# Altium PCB rf_modulator_source.PcbDoc (part 1 of 2)
Units mm, origin at the board's own origin, x right, y up, seen from the top; angles counter-clockwise.
Board outline 79.5 x 119 mm, 4 copper layers (Top Layer, GND, Inner Layer 2, Bottom Layer), stack 1.546 mm thick; 214 components, 135 nets, 579 pads, 364 vias.
Unrouted connection lines stored in the file: 6.
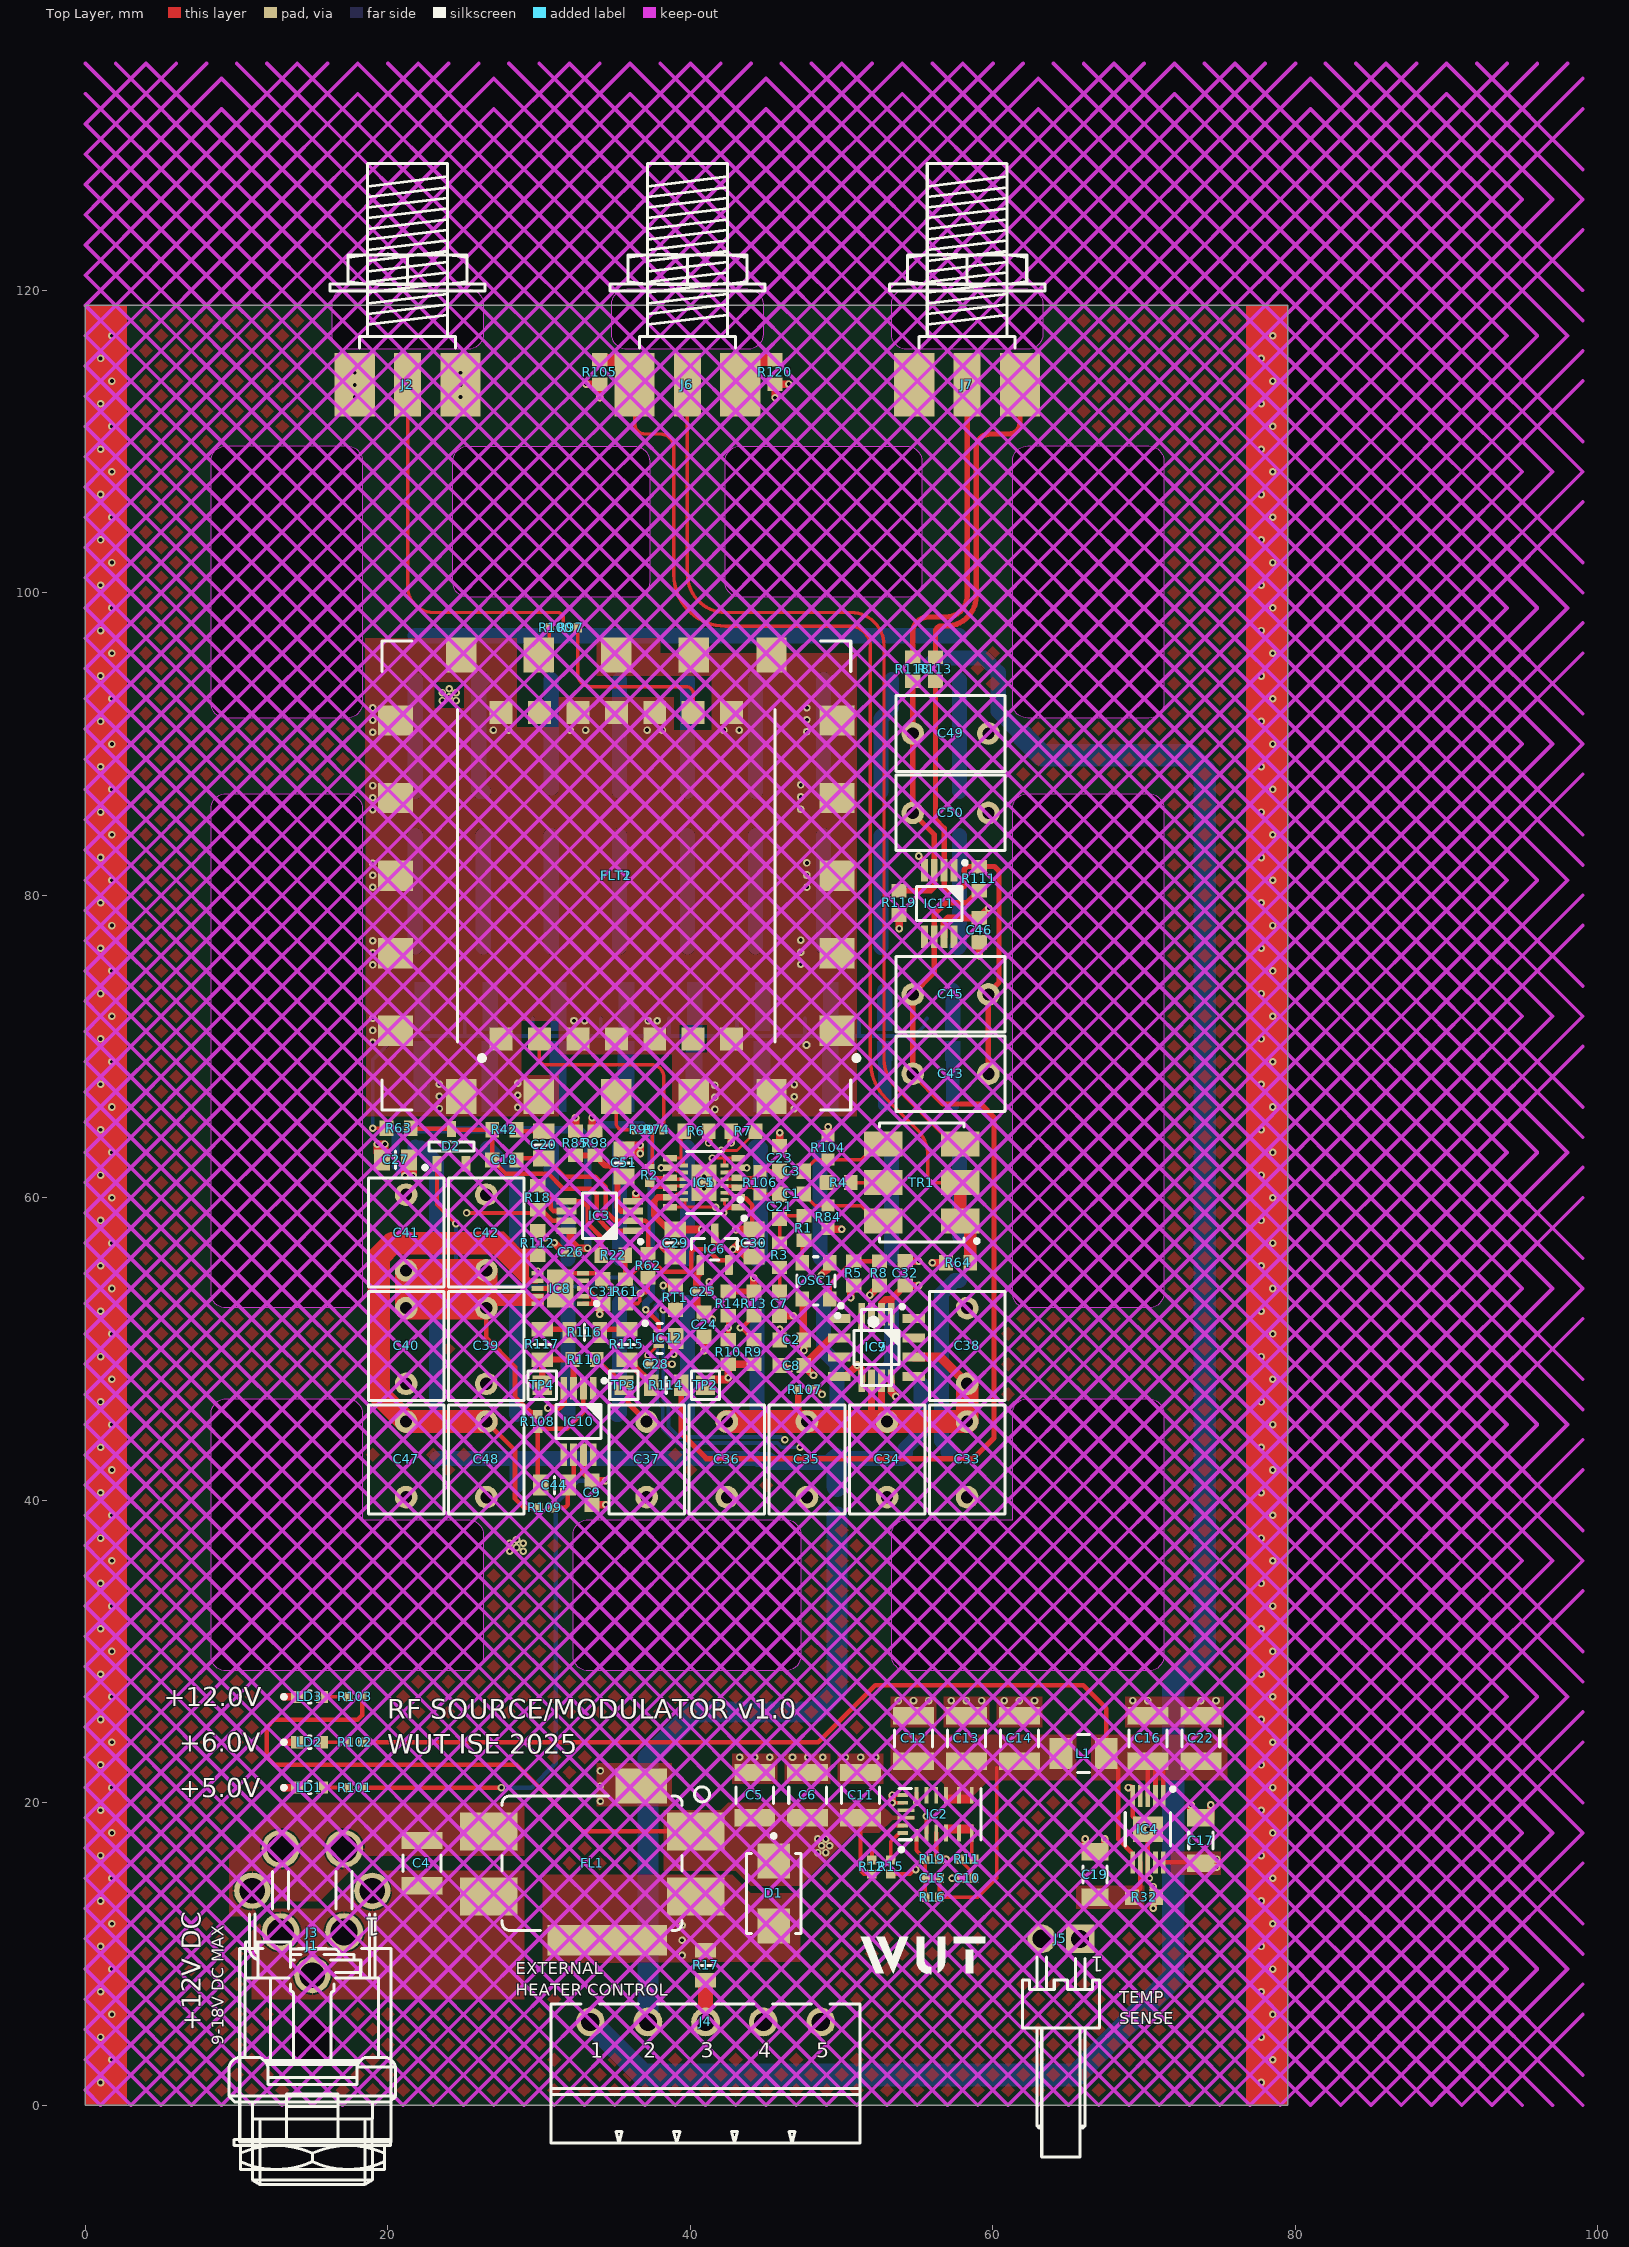
[diagram p0: Top Layer view]
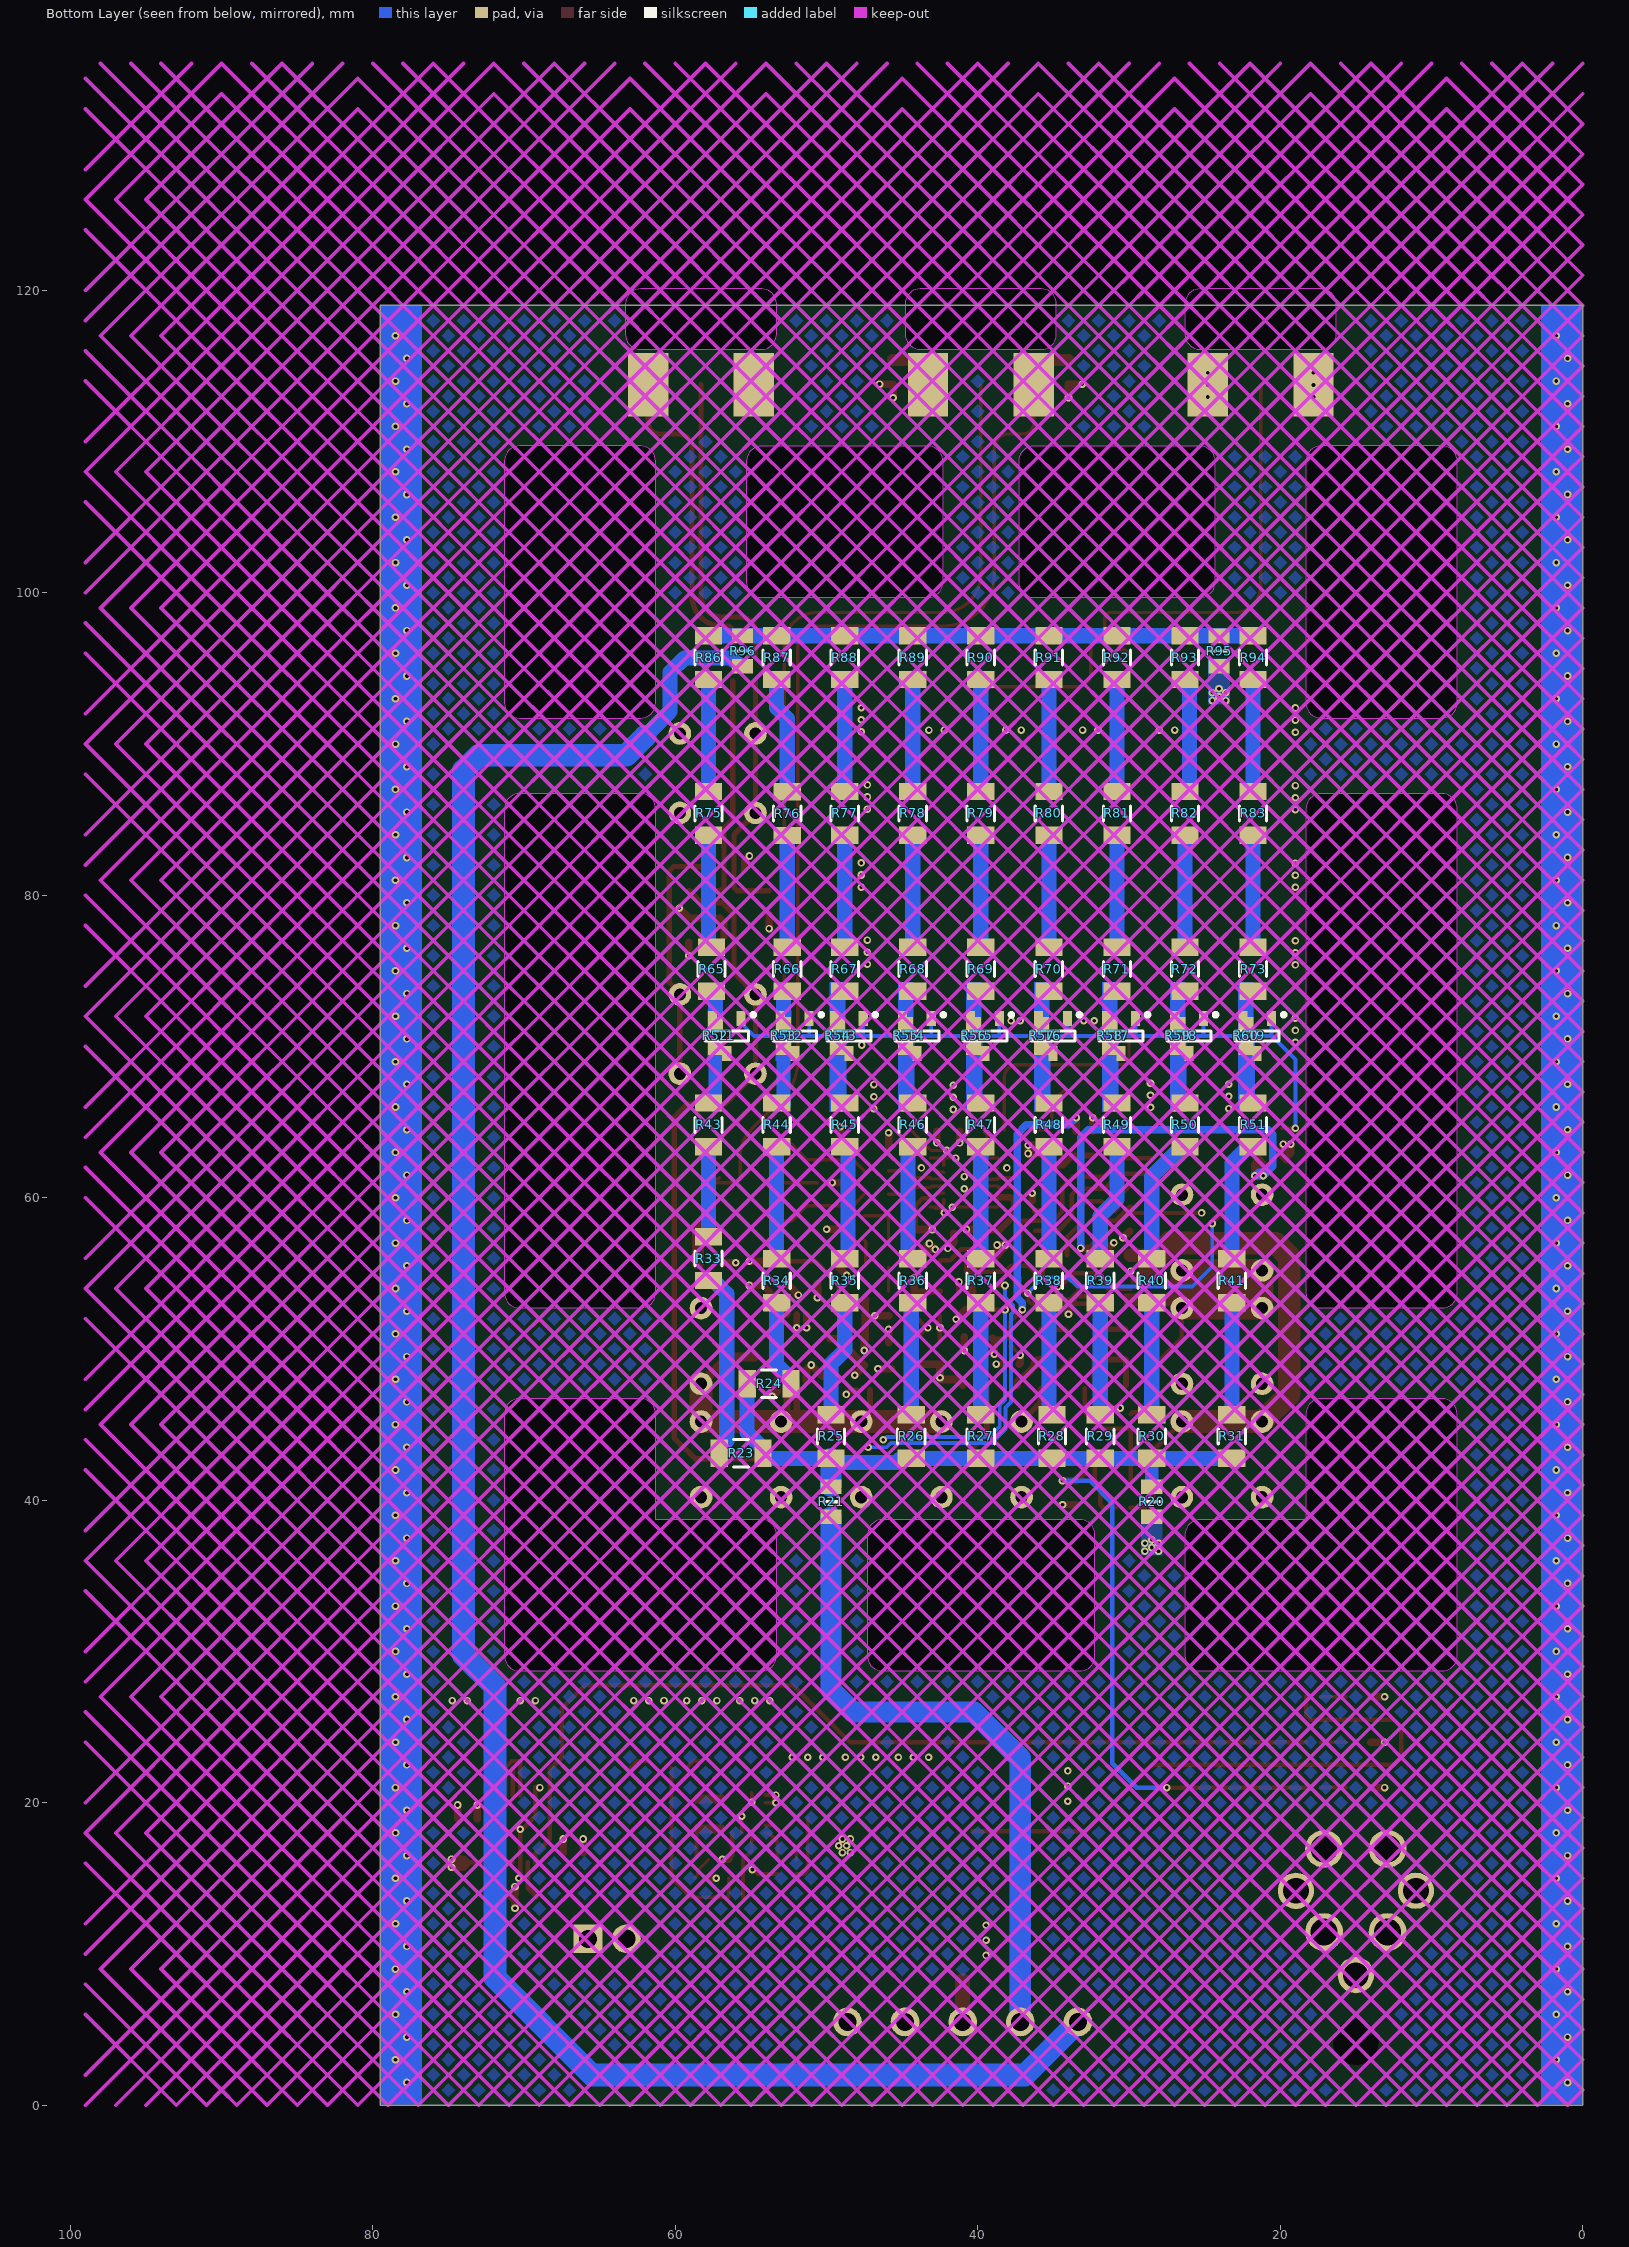
[diagram p1: Bottom Layer view, seen from below]
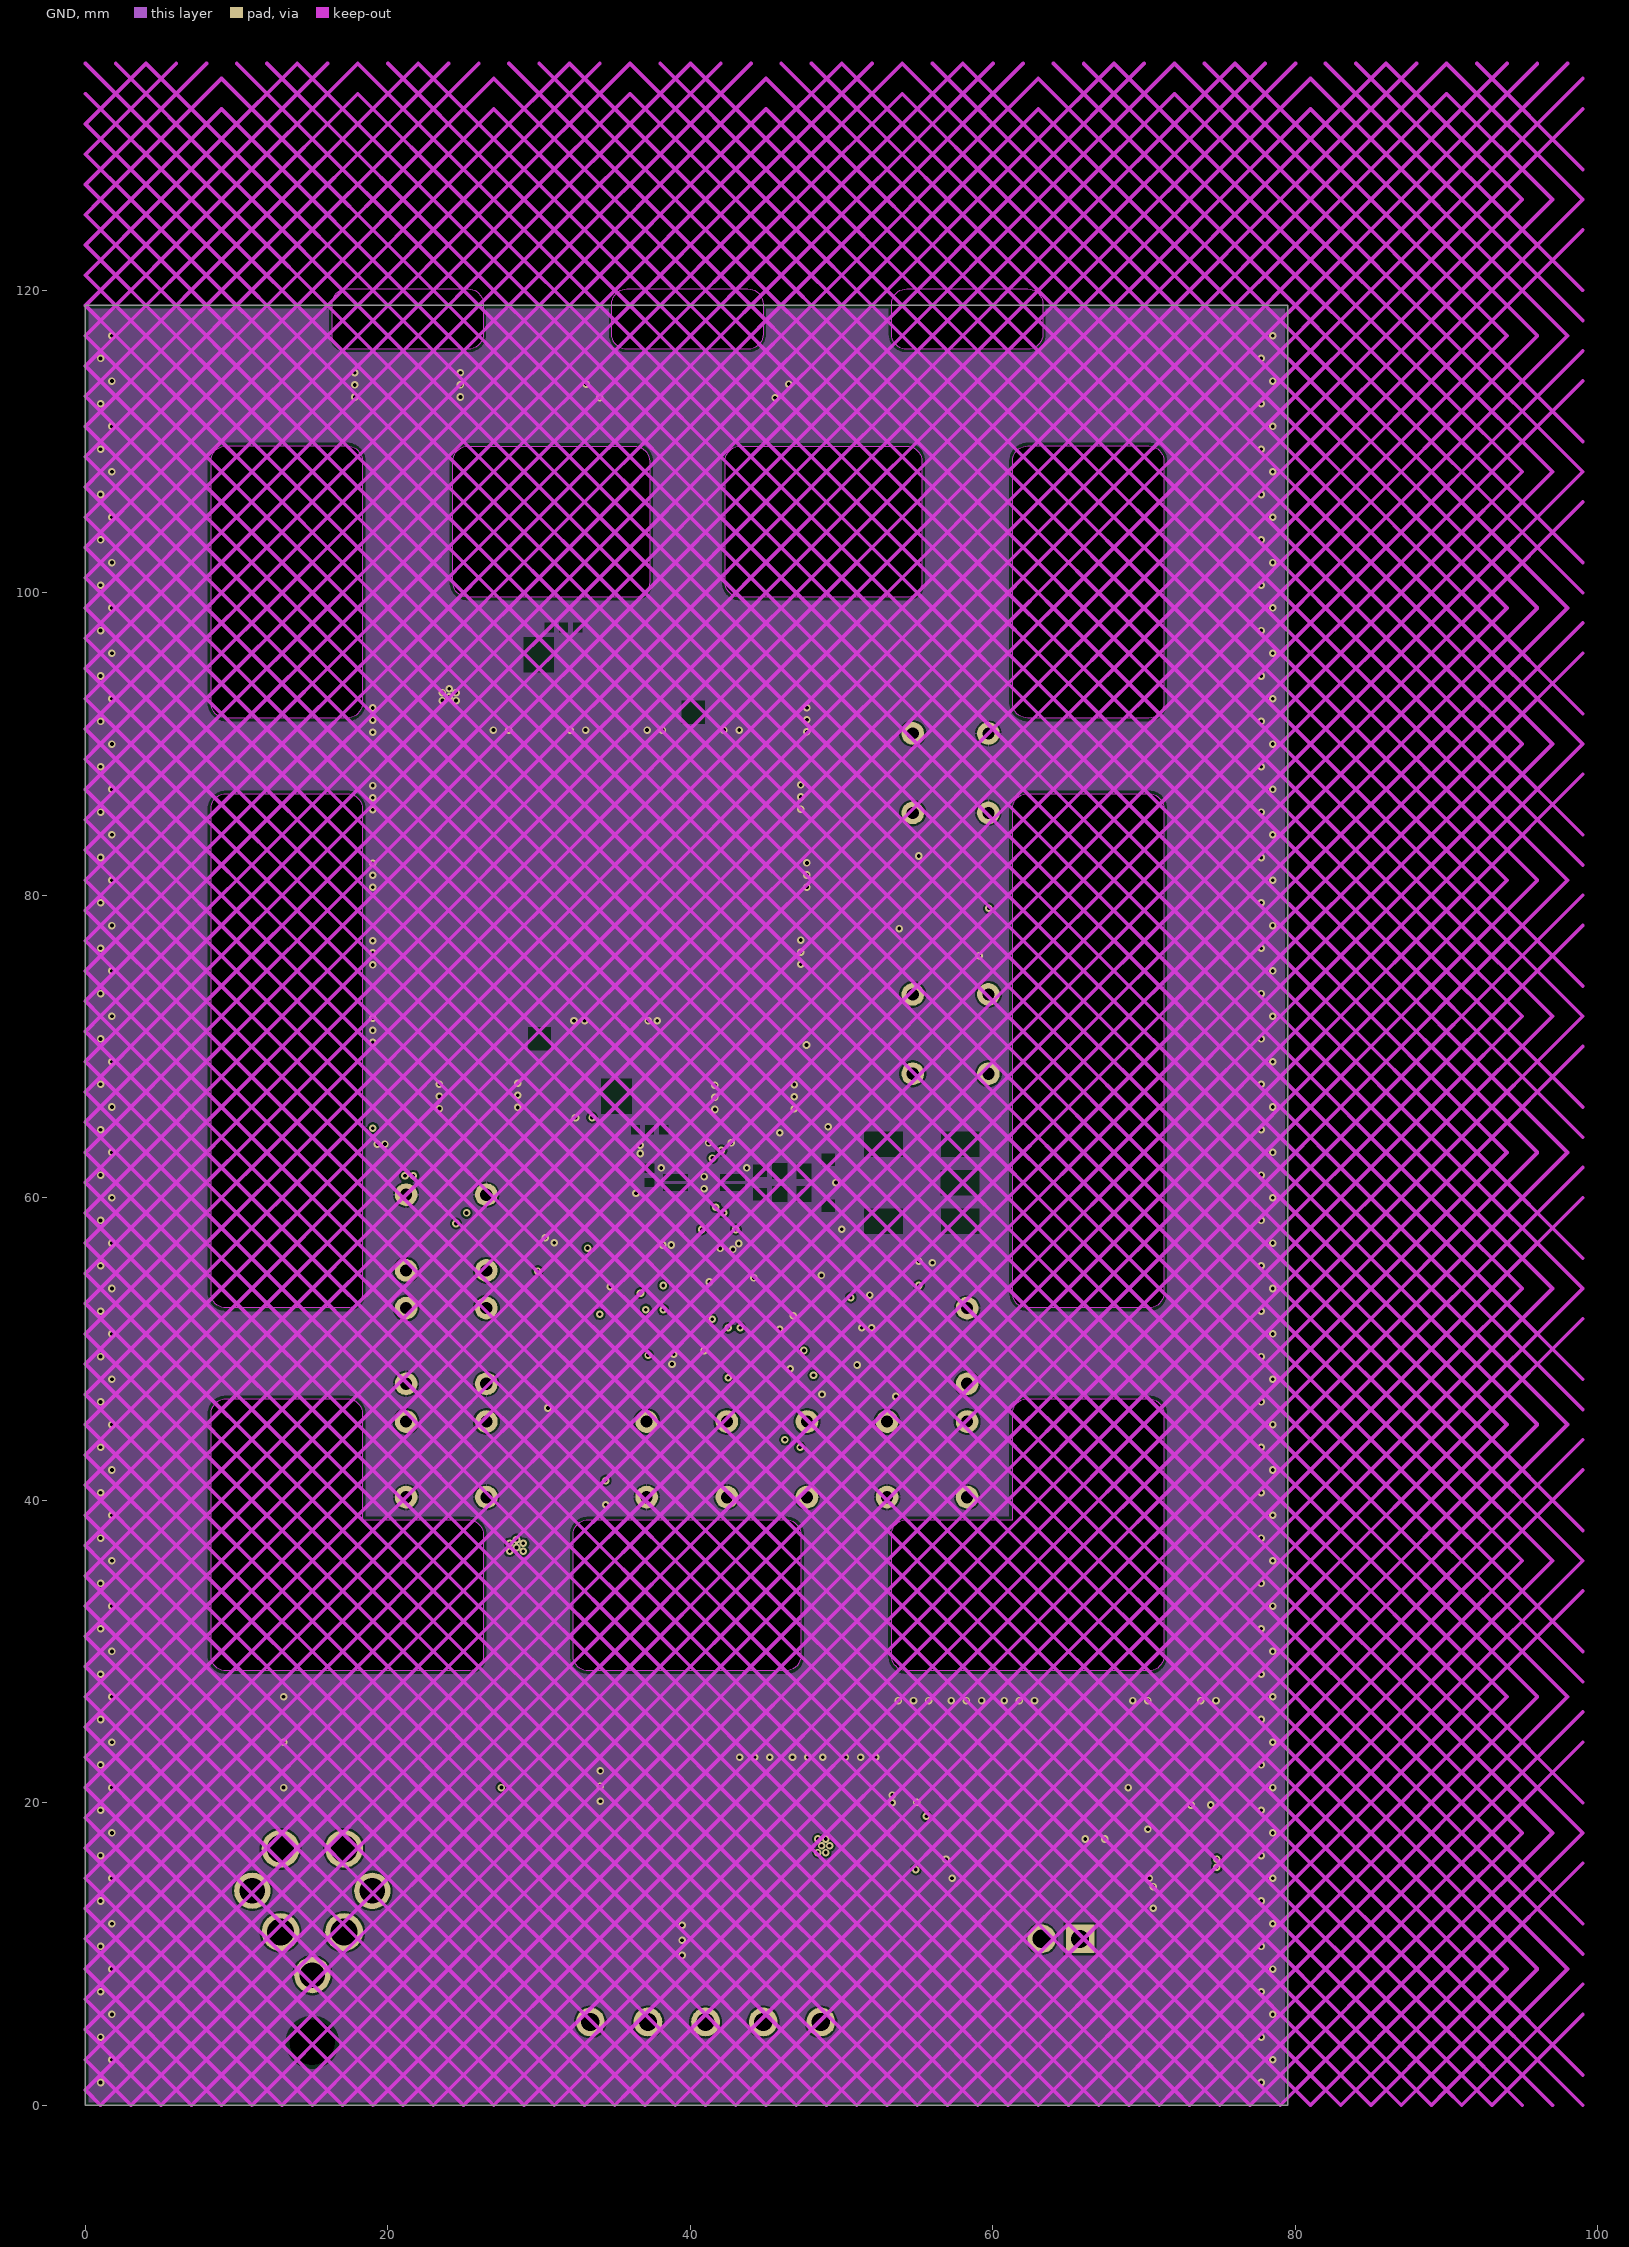
[diagram p2: GND]